# Altium PCB Intermediate_LCL_Revised_new.PcbDoc (part 1 of 3)
Units mil, origin at the board's own origin, x right, y up, seen from the top; angles counter-clockwise.
Board outline 12850 x 6950 mil, 4 copper layers (Top Layer, Lay1, gnd, Bottom Layer), stack 23.756 mil thick; 473 components, 243 nets, 1278 pads, 73 vias.
Unrouted connection lines stored in the file: 289.
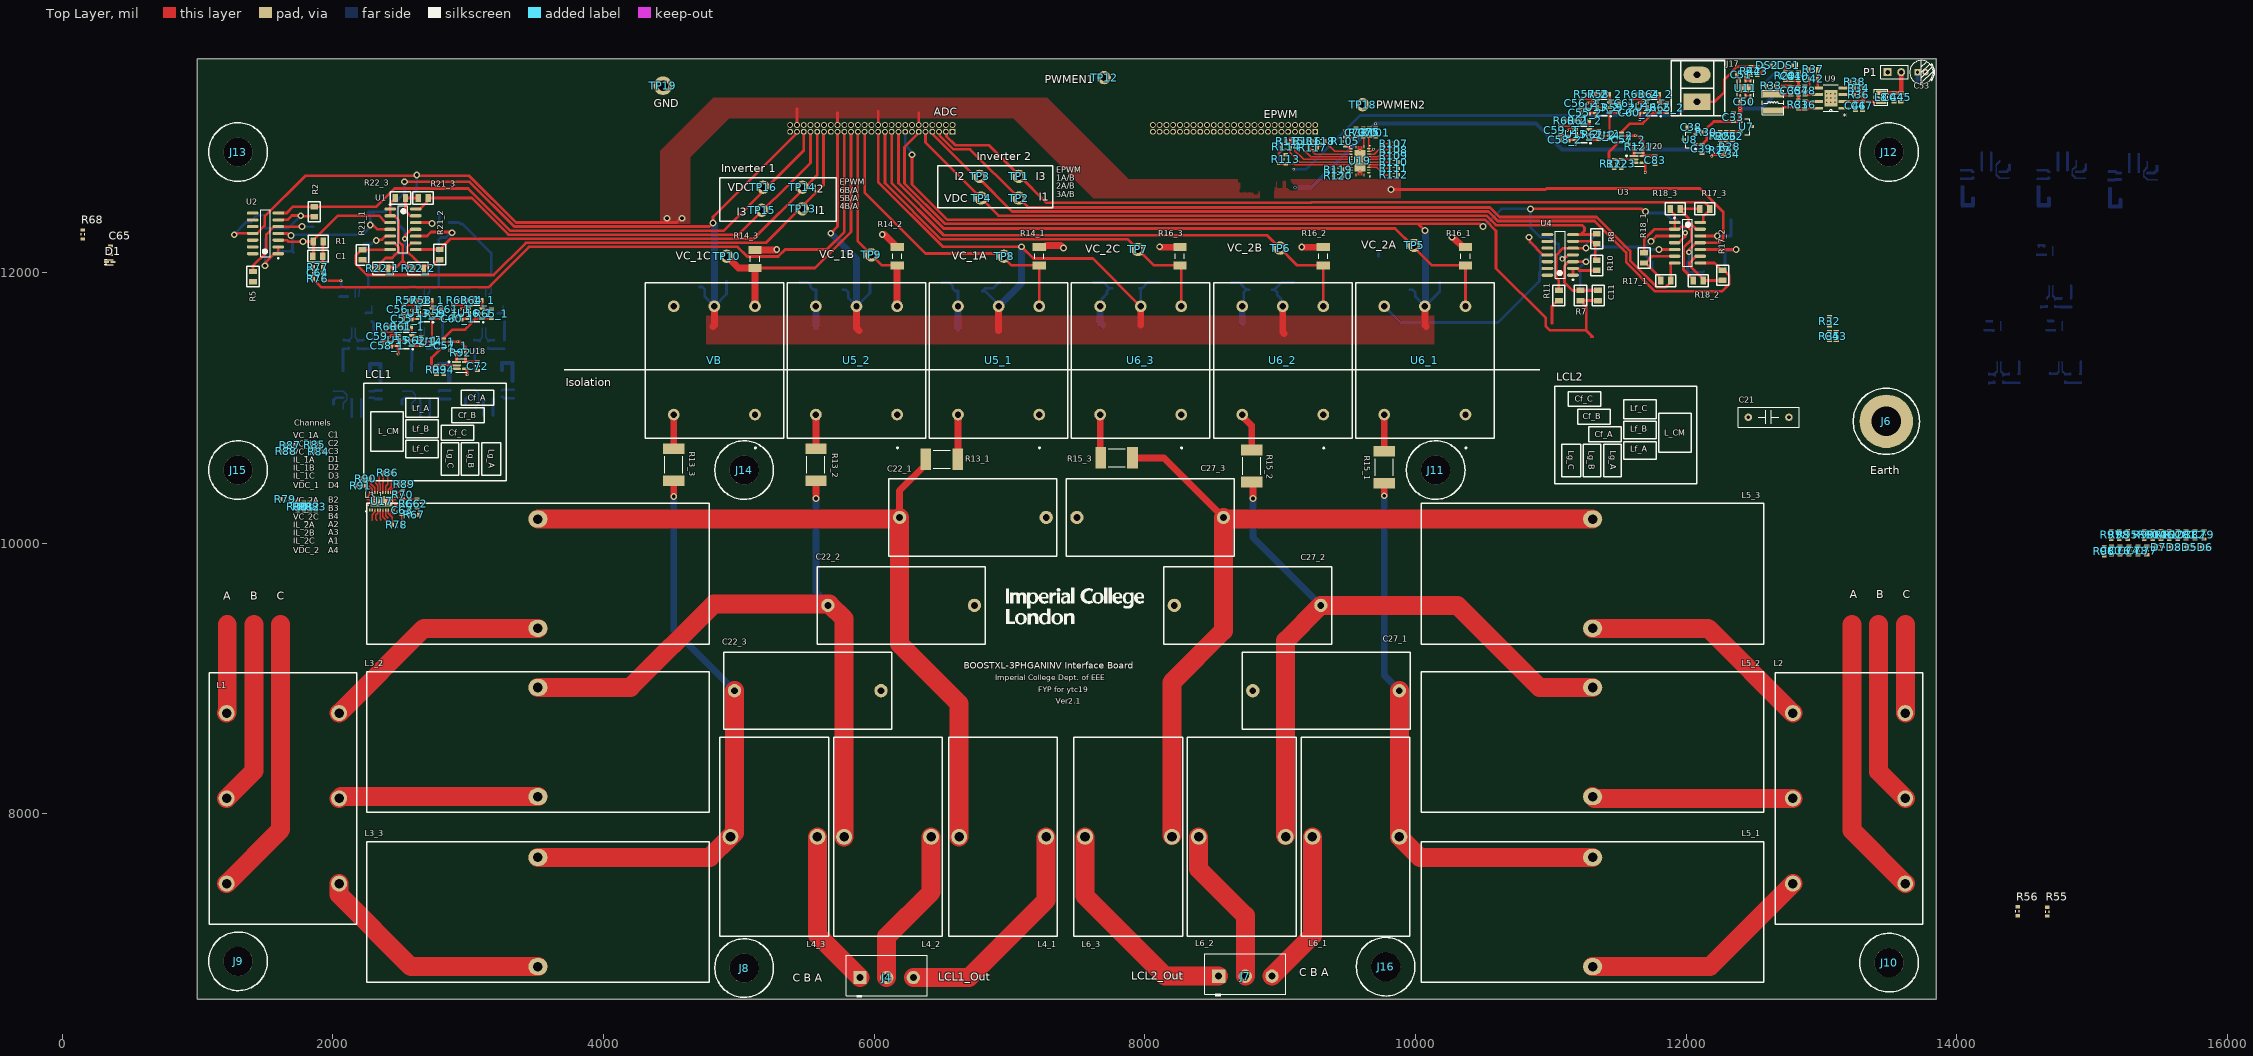
[diagram p0: Top Layer view]
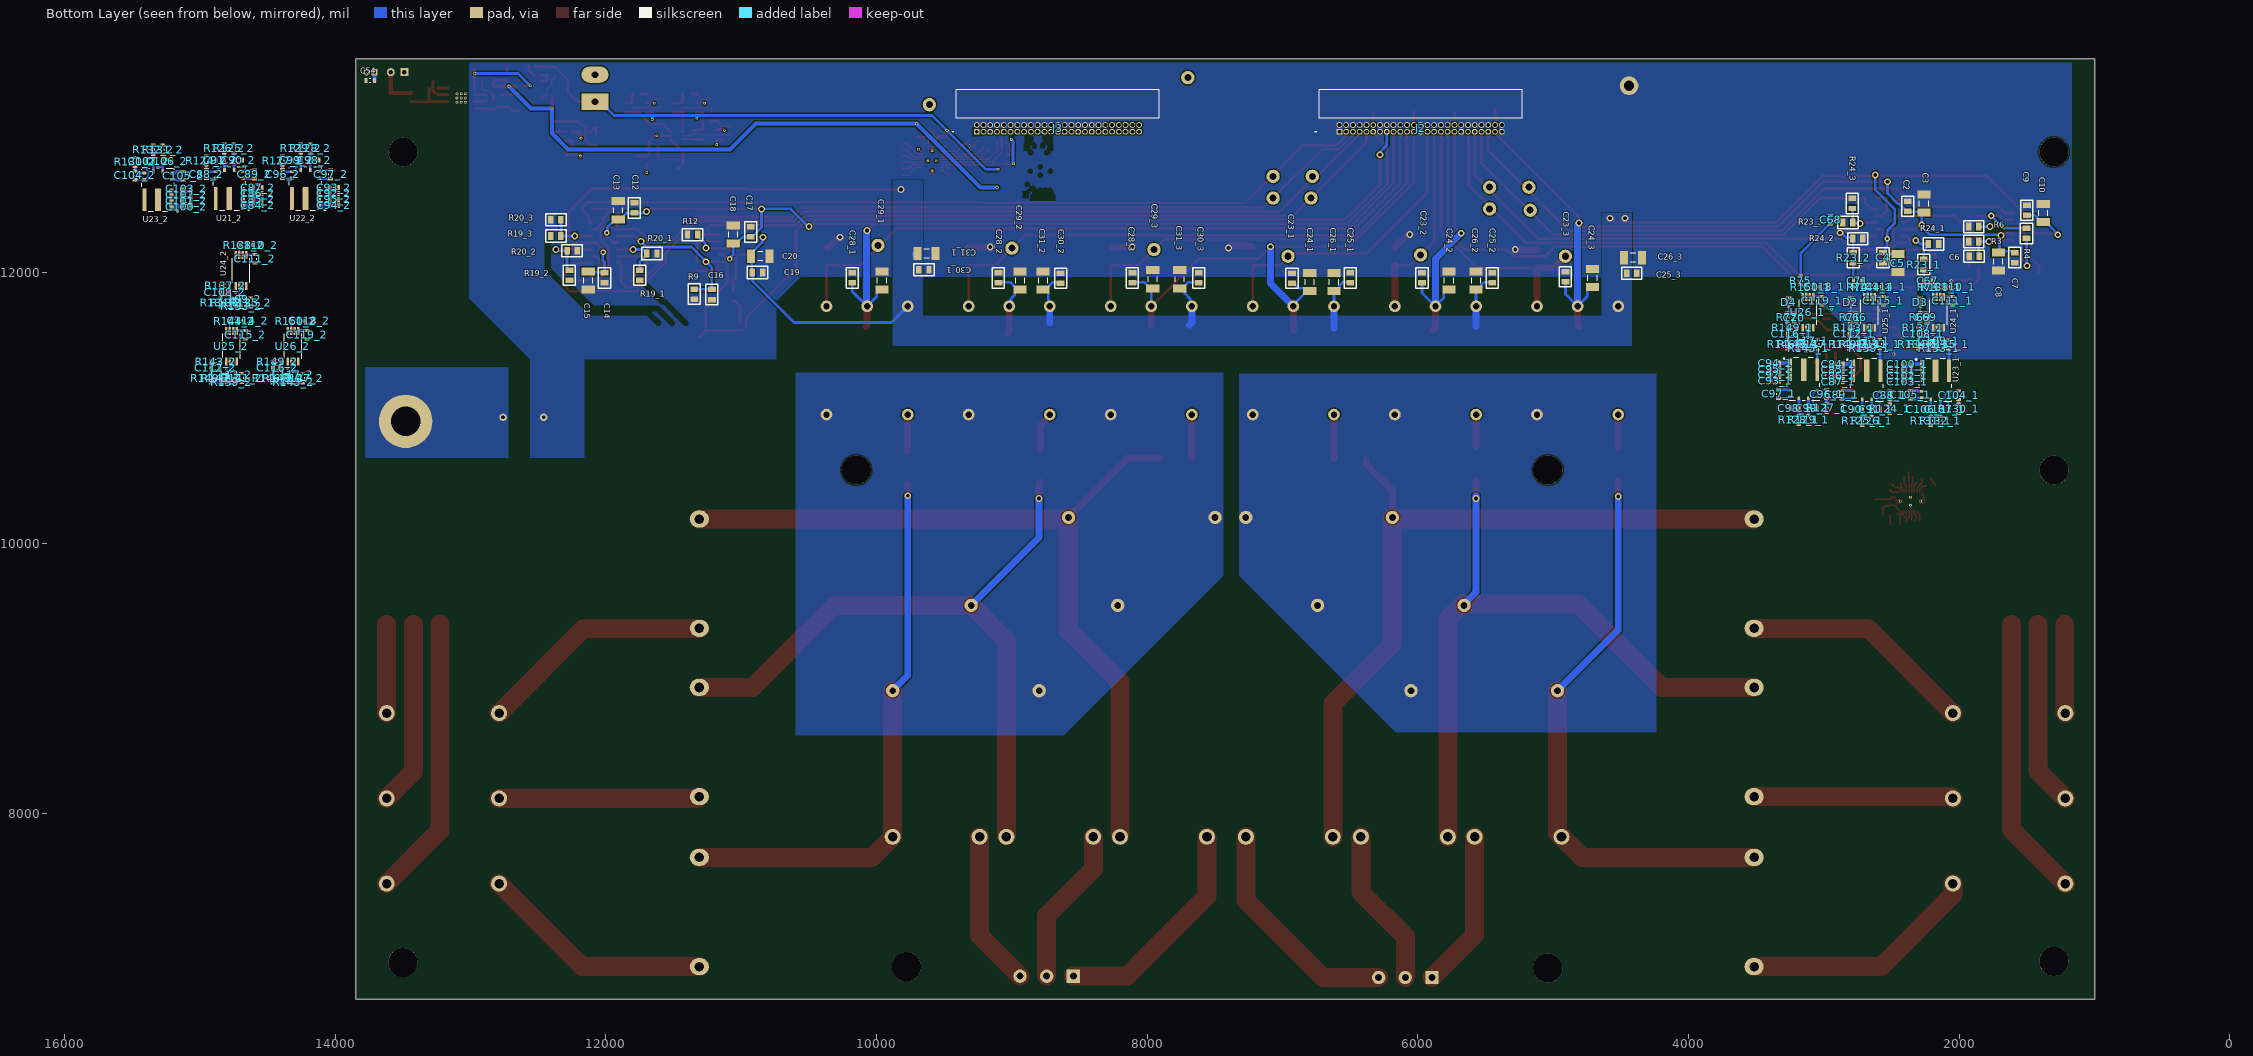
[diagram p1: Bottom Layer view, seen from below]
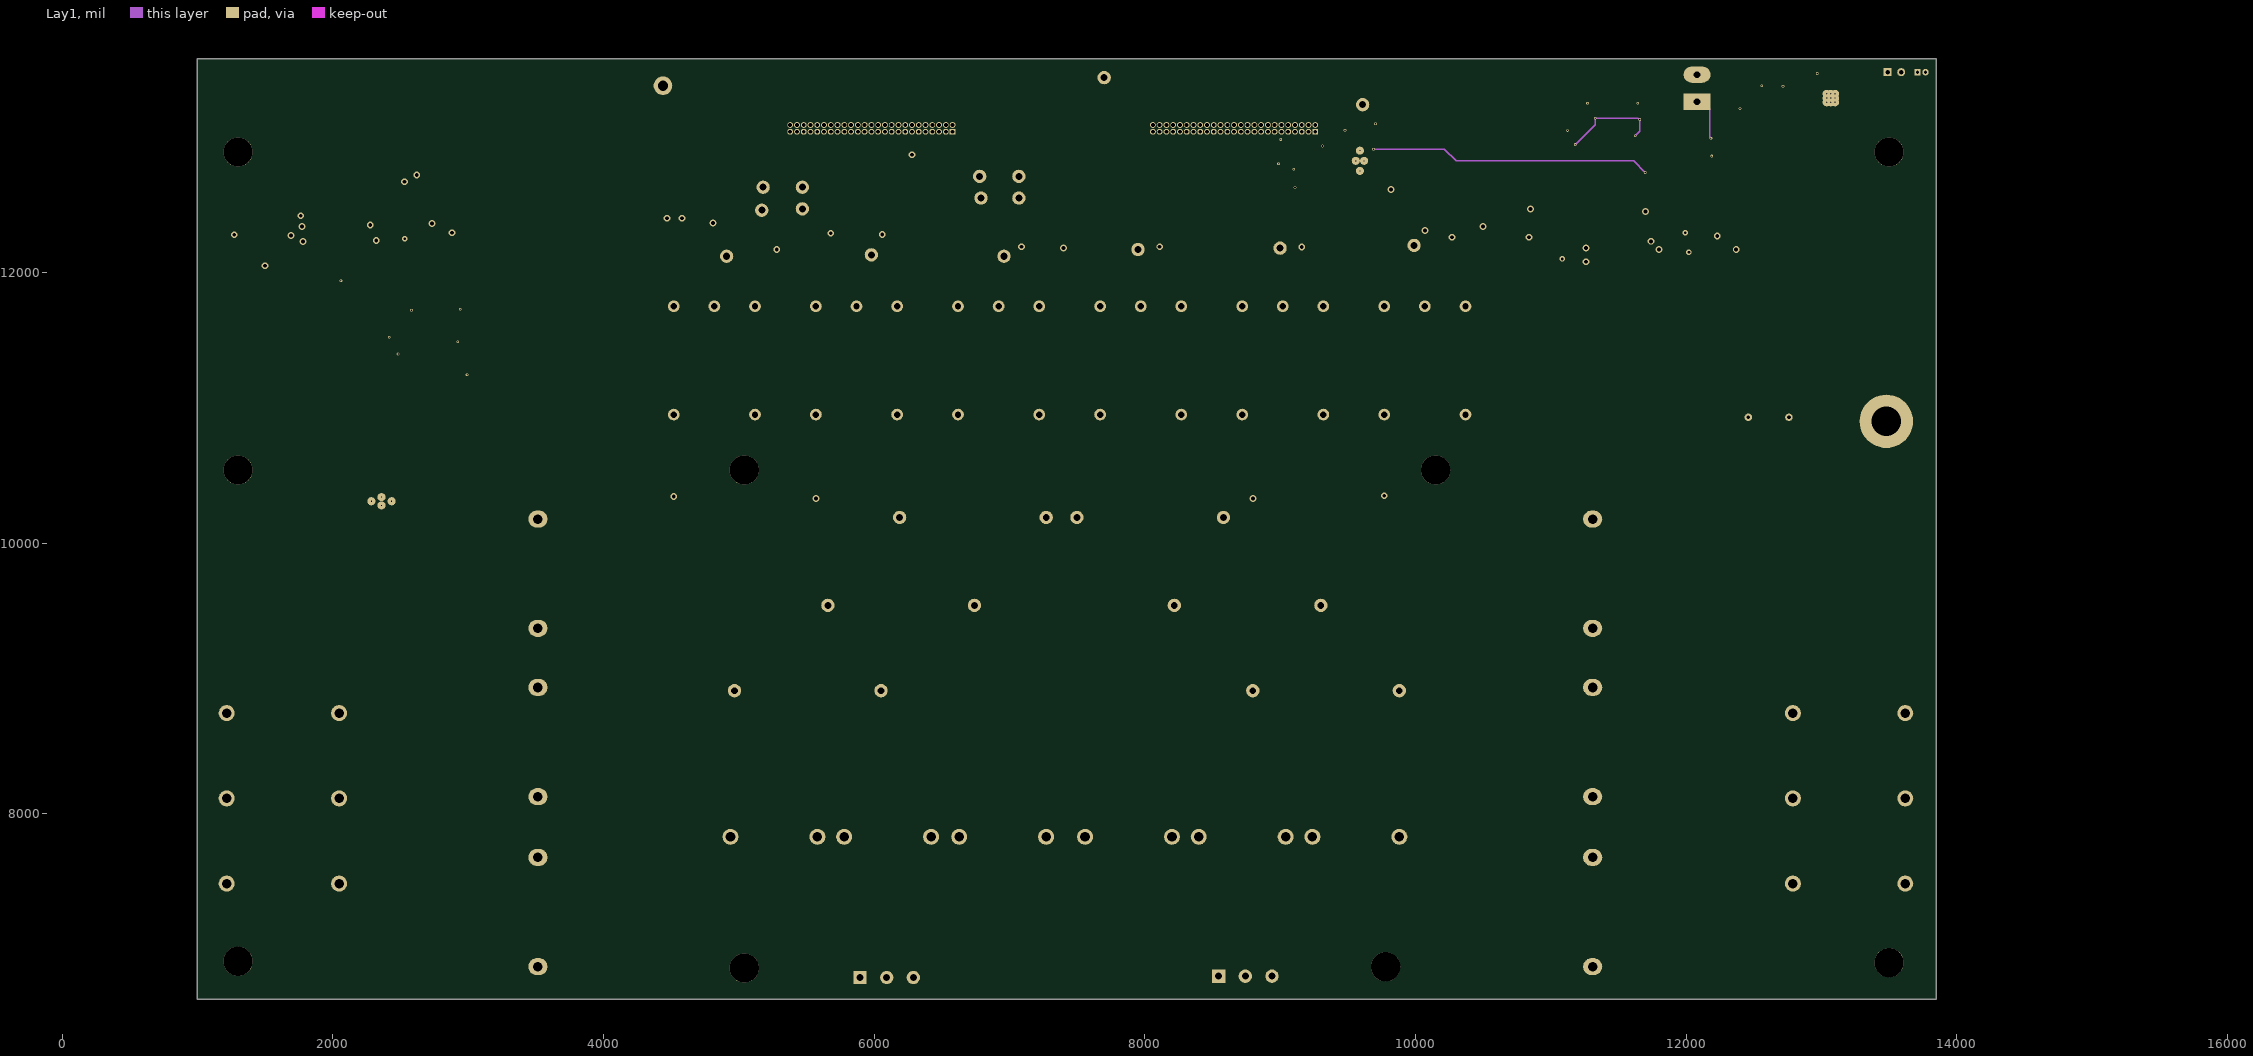
[diagram p2: Lay1]

## Layer stack, top to bottom
Top Solder: solder mask 0.4, Solder Resist, Dk 3.5
Top Layer: signal copper 1.4
Dielectric 2: prepreg 2.8, PP-006, Dk 4.1
Lay1: signal copper 1.378
Dielectric 1: dielectric 12.6, FR-4, Dk 4.8
gnd: signal copper 1.378
Dielectric 3: prepreg 2.8, PP-006, Dk 4.1
Bottom Layer: signal copper 1.4
Bottom Solder: solder mask 0.4, Solder Resist, Dk 3.5

## Board outline
1000,6630 13850,6630 13850,13580 1000,13580

## Design rules (kind name [scope] priority, off if disabled: settings)
Clearance [All] p1: gap=10 ignorepadtopadclearanceinfootprint=FALSE except(0: Arc-Hole Track-Hole SMDPad-Hole THPad-Hole Via-Hole Fill-Hole Poly-Hole Region-Hole Text-Hole; 5: SMDPad-SMDPad SMDPad-THPad THPad-THPad)
Height [All] p1: minheight=0 maxheight=1500 prefheight=500
HoleSize [All] p1: absolutevalues=TRUE maxlimit=250 minlimit=1 maxpercent=80.000 minpercent=20.000
PolygonConnect [All] p1: connectstyle=Direct reliefconductorwidth=10 reliefentries=4 polygonreliefangle="90 Angle" airgapwidth=10
RoomDefinition RoomDefinition_3 [InComponentClass('U_1232') vs False] p1: confinementstyle=ConfineIn formatcopy=TRUE lockcomponents=FALSE outline 14950,11150 14130,11150 14130,12240 14950,12240
RoomDefinition [InComponentClass('U_3Phase Inverter2') vs False] p2: confinementstyle=ConfineIn formatcopy=TRUE lockcomponents=FALSE outline 15515.68,12419.85 13945.68,12419.85 13945.68,12979.85 15515.68,12979.85
RoutingVias [All] p1: holewidth=28 width=50 viastyle="Through Hole" minholewidth=28 minwidth=50 maxholewidth=28 maxwidth=50
SolderMaskExpansion [All] p1: expansion=4 istentingtop=FALSE
Width [All] p1: maxlimit=140 minlimit=10 preferedwidth=10 midlayer1_maxwidth=10 midlayer2_maxwidth=10 minimp=50.000000 maximp=50.000000 favimp=50.000000
28 further rules are at their usual default settings.

## Classes and differential pairs
net class VC_MOTOR_[1..2]: VC_MOTOR_1 VC_MOTOR_2
net class VC_[1..2]: VC_1 VC_2
net class VB_MOTOR_[1..2]: VB_MOTOR_1 VB_MOTOR_2
net class VB_[1..2]: VB_1 VB_2
net class VA_Motor_[1..2]: VA_Motor_1 VA_Motor_2
net class VA_[1..2]: VA_1 VA_2
net class PWM_CL[1..2]: PWM_CL1 PWM_CL2
net class PWM_CH[1..2]: PWM_CH1 PWM_CH2
net class PWM_BL[1..2]: PWM_BL1 PWM_BL2
net class PWM_BH[1..2]: PWM_BH1 PWM_BH2
net class PWM_AL[1..2]: PWM_AL1 PWM_AL2
net class PWM_AH[1..2]: PWM_AH1 PWM_AH2
net class Ph_C[1..2]: Ph_C1 Ph_C2
net class Ph_B[1..2]: Ph_B1 Ph_B2
net class Ph_A[1..2]: Ph_A1 Ph_A2
component class "U_Phase Current Voltage Sense2": C55_2 C56_2 C57_2 C58_2 C59_2 C60_2 C61_2 R57_2 R58_2 R59_2 R60_2 R61_2 R62_2 R63_2 R64_2 R65_2 U13_2 U14_2 U15_2 U16_2
component class "U_Phase Current Voltage Sense1": C55_1 C56_1 C57_1 C58_1 C59_1 C60_1 C61_1 R57_1 R58_1 R59_1 R60_1 R61_1 R62_1 R63_1 R64_1 R65_1 U13_1 U14_1 U15_1 U16_1
net class IComp_[1..2]: IComp_1 IComp_2
net class IC_[1..2]: IC_1 IC_2
net class IB_[1..2]: IB_1 IB_2
net class IA_[1..2]: IA_1 IA_2
component class "U_3Phase Inverter1": C84_1 C85_1 C86_1 C87_1 C88_1 C89_1 C90_1 C91_1 C92_1 C93_1 C94_1 C95_1 C96_1 C97_1 C98_1 C99_1 C100_1 C101_1 C102_1 C103_1 C104_1 C105_1 C106_1 C107_1 R124_1 R125_1 R126_1 R127_1 R128_1 R129_1 R130_1 R131_1 R132_1 U21_1 U22_1 U23_1
component class "U_3Phase Inverter2": C84_2 C85_2 C86_2 C87_2 C88_2 C89_2 C90_2 C91_2 C92_2 C93_2 C94_2 C95_2 C96_2 C97_2 C98_2 C99_2 C100_2 C101_2 C102_2 C103_2 C104_2 C105_2 C106_2 C107_2 R124_2 R125_2 R126_2 R127_2 R128_2 R129_2 R130_2 R131_2 R132_2 U21_2 U22_2 U23_2
component class 3: C62 C63 C64 C65 C66 C67 C68 C69 C70 C71 C72 C73 C74 C75 C76 C77 C78 C79 C80 C81 C82 C83 D1 D2 D3 D4 D5 D6 D7 D8 R66 R67 R68 R69 R70 R71 R72 R73 R74 R75 R76 R77 R78 R79 R80 R81 R82 R83 R84 R85 R87 R88 R92 R93 R94 R95 R96 R97 R98 R99 R100 R101 R102 R103 R104 R105 R106 R107 R108 R109 R110 R111 R112 R113 R114 R115 R116 R117 R118 R119 R120 R121 R122 R123 U18 U19 U20
component class 1: C32 C33 C34 C35 C36 C37 C38 C39 C40 C41 C42 C43 C44 C45 C46 C47 C48 C50 C51 C53 C54 DS1 DS2 J17 L7 L8 P1 R25 R26 R27 R28 R29 R31 R32 R33 R34 R35 R36 R37 R38 R42 R43 R55 R56 U7 U9 U11
channel class "3Phase Inverter2": U_1231 U_1232
channel class "3Phase Inverter1": "U_3Phase Inverter1" "U_3Phase Inverter2"
channel class "Phase Current Voltage Sense": "U_Phase Current Voltage Sense1" "U_Phase Current Voltage Sense2"
component class U_1232: C108_2 C109_2 C110_2 C111_2 C112_2 C113_2 C114_2 C115_2 C116_2 C117_2 C118_2 C119_2 R133_2 R134_2 R135_2 R136_2 R137_2 R138_2 R139_2 R140_2 R141_2 R142_2 R143_2 R144_2 R145_2 R146_2 R147_2 R148_2 R149_2 R150_2 U24_2 U25_2 U26_2
component class U_1231: C108_1 C109_1 C110_1 C111_1 C112_1 C113_1 C114_1 C115_1 C116_1 C117_1 C118_1 C119_1 R133_1 R134_1 R135_1 R136_1 R137_1 R138_1 R139_1 R140_1 R141_1 R142_1 R143_1 R144_1 R145_1 R146_1 R147_1 R148_1 R149_1 R150_1 U24_1 U25_1 U26_1
channel class Fdbk_2: Fdbk_21 Fdbk_22 Fdbk_23
channel class Fdbk_1: Fdbk_11 Fdbk_12 Fdbk_13
net class I_PosB_[1..3]: I_PosB_1 I_PosB_2 I_PosB_3
net class I_PosA_[1..3]: I_PosA_1 I_PosA_2 I_PosA_3
net class I_OutB_[1..3]: I_OutB_1 I_OutB_2 I_OutB_3
net class I_OutA_[1..3]: I_OutA_1 I_OutA_2 I_OutA_3
net class I_NegB_[1..3]: I_NegB_1 I_NegB_2 I_NegB_3
net class I_NegA_[1..3]: I_NegA_1 I_NegA_2 I_NegA_3
net class I_InB_[1..3]: I_InB_1 I_InB_2 I_InB_3
net class I_InA_[1..3]: I_InA_1 I_InA_2 I_InA_3
component class Fdbk_23: R17_3 R18_3 R19_3 R20_3
component class Fdbk_22: R17_2 R18_2 R19_2 R20_2
component class Fdbk_21: R17_1 R18_1 R19_1 R20_1
component class Fdbk_13: R21_3 R22_3 R23_3 R24_3
component class Fdbk_12: R21_2 R22_2 R23_2 R24_2
component class Fdbk_11: R21_1 R22_1 R23_1 R24_1
channel class LCL_2: LCL_21 LCL_22 LCL_23
net class V_termB_[1..3]: V_termB_1 V_termB_2 V_termB_3
net class V_termA_[1..3]: V_termA_1 V_termA_2 V_termA_3
net class V_o_outB_[1..3]: V_o_outB_1 V_o_outB_2 V_o_outB_3
net class V_o_outA_[1..3]: V_o_outA_1 V_o_outA_2 V_o_outA_3
net class V_capB_[1..3]: V_capB_1 V_capB_2 V_capB_3
net class V_capA_[1..3]: V_capA_1 V_capA_2 V_capA_3
component class LCL_23: C27_3 C28_3 C29_3 C30_3 C31_3 L5_3 L6_3 R15_3 R16_3 U6_3
component class LCL_22: C27_2 C28_2 C29_2 C30_2 C31_2 L5_2 L6_2 R15_2 R16_2 U6_2
component class LCL_21: C27_1 C28_1 C29_1 C30_1 C31_1 L5_1 L6_1 R15_1 R16_1 U6_1
channel class LCL_1: LCL_11 LCL_12 LCL_13
component class LCL_13: C22_3 C23_3 C24_3 C25_3 C26_3 L3_3 L4_3 R13_3 R14_3 U5_3
component class LCL_12: C22_2 C23_2 C24_2 C25_2 C26_2 L3_2 L4_2 R13_2 R14_2 U5_2
component class LCL_11: C22_1 C23_1 C24_1 C25_1 C26_1 C31 L3_1 L4_1 R13_1 R14_1 U5_1
component class Intermediate_LCL_Top_20230320: C1 C2 C3 C4 C5 C6 C7 C8 C9 C10 C11 C12 C13 C14 C15 C16 C17 C18 C19 C20 C21 J2 J3 J4 J6 J7 J8 J9 J10 J11 J12 J13 J14 J15 J16 L1 L2 R1 R2 R3 R4 R5 R6 R7 R8 R9 R10 R11 R12 TP1 TP2 TP3 TP4 TP5 TP6 TP7 TP8 TP9 TP10 TP12 TP13 TP14 TP15 TP16 TP18 TP19 U1 U2 U3 U4

## Components (designator, comment, footprint, x,y, rotation, side; value= is the part's Value field where it differs from the comment)
C1 "2.2uF_0805" "0805 Capacitor" 1890,12120 r0 top
C2 "100nF_0805" "0805 Capacitor" 2380,12490 r270 bottom
C3 "4.7uF_1206" "1206 Capacitor" 2260,12510 r270 bottom
C4 "100nF_0805" "0805 Capacitor" 2562.6,12108.86 r90 bottom
C5 "4.7uF_1206" "1206 Capacitor" 2452.6,12068.86 r90 bottom
C6 "2.2uF_0805" "0805 Capacitor" 1890,12120 r180 bottom
C7 "100nF_0805" "0805 Capacitor" 1590,12110 r90 bottom
C8 "4.7uF_1206" "1206 Capacitor" 1710,12080 r90 bottom
C9 "100nF_0805" "0805 Capacitor" 1500,12460 r270 bottom
C10 "4.7uF_1206" "1206 Capacitor" 1380,12440 r270 bottom
C11 "2.2uF_0805" "0805 Capacitor" 11350,11830 r270 top
C12 "100nF_0805" "0805 Capacitor" 11790,12477.4 r270 bottom
C13 "4.7uF_1206" "1206 Capacitor" 11910,12460 r270 bottom
C14 "100nF_0805" "0805 Capacitor" 12010,11960 r90 bottom
C15 "4.7uF_1206" "1206 Capacitor" 12130,11940 r90 bottom
C16 "2.2uF_0805" "0805 Capacitor" 11217.16,11837.4 r90 bottom
C17 "100nF_0805" "0805 Capacitor" 10930,12300 r270 bottom
C18 "4.7uF_1206" "1206 Capacitor" 11060,12280 r270 bottom
C19 "100nF_0805" "0805 Capacitor" 10880,12000 r0 bottom
C20 "4.7uF_1206" "1206 Capacitor" 10860,12120 r0 bottom
C21 "Earth Capacitor" RAD-0.3 12610,10930 r0 top
C22_1 "2.2uF_180V" "Film Capacitor PHE450HF7220JR06L2" 6730,10190 r270 top (schematic designator C22)
C22_2 "2.2uF_180V" "Film Capacitor PHE450HF7220JR06L2" 6200,9540 r270 top (schematic designator C22)
C22_3 "2.2uF_180V" "Film Capacitor PHE450HF7220JR06L2" 5510,8910 r270 top (schematic designator C22)
C23_1 "100nF_0805" "0805 Capacitor" 6930,11958.11 r270 bottom (schematic designator C23)
C23_2 "100nF_0805" "0805 Capacitor" 5970,11960 r270 bottom (schematic designator C23)
C23_3 "100nF_0805" "0805 Capacitor" 4910,11968.11 r270 bottom (schematic designator C23)
C24_1 "4.7uF_1206" "1206 Capacitor" 6800,11930 r270 bottom (schematic designator C24)
C24_2 "4.7uF_1206" "1206 Capacitor" 5770,11940 r270 bottom (schematic designator C24)
C24_3 "4.7uF_1206" "1206 Capacitor" 4710,11960 r270 bottom (schematic designator C24)
C25_1 "100nF_0805" "0805 Capacitor" 6500,11960 r270 bottom (schematic designator C25)
C25_2 "100nF_0805" "0805 Capacitor" 5450,11960 r270 bottom (schematic designator C25)
C25_3 "100nF_0805" "0805 Capacitor" 4420,11993.9 r0 bottom (schematic designator C25)
C26_1 "4.7uF_1206" "1206 Capacitor" 6620,11930 r270 bottom (schematic designator C26)
C26_2 "4.7uF_1206" "1206 Capacitor" 5570,11940 r270 bottom (schematic designator C26)
C26_3 "4.7uF_1206" "1206 Capacitor" 4410,12110 r0 bottom (schematic designator C26)
C27_1 "2.2uF_180V" "Film Capacitor PHE450HF7220JR06L2" 9340,8910 r90 top (schematic designator C27)
C27_2 "2.2uF_180V" "Film Capacitor PHE450HF7220JR06L2" 8760,9540 r90 top (schematic designator C27)
C27_3 "2.2uF_180V" "Film Capacitor PHE450HF7220JR06L2" 8040,10190 r90 top (schematic designator C27)
C28_1 "100nF_0805" "0805 Capacitor" 10180,11960 r270 bottom (schematic designator C28)
C28_2 "100nF_0805" "0805 Capacitor" 9100,11960 r270 bottom (schematic designator C28)
C28_3 "100nF_0805" "0805 Capacitor" 8110,11960 r270 bottom (schematic designator C28)
C29_1 "4.7uF_1206" "1206 Capacitor" 9960,11940 r270 bottom (schematic designator C29)
C29_2 "4.7uF_1206" "1206 Capacitor" 8940,11940 r270 bottom (schematic designator C29)
C29_3 "4.7uF_1206" "1206 Capacitor" 7960,11950 r270 bottom (schematic designator C29)
C30_1 "100nF_0805" "0805 Capacitor" 9650,12020 r0 bottom (schematic designator C30)
C30_2 "100nF_0805" "0805 Capacitor" 8640,11958.11 r270 bottom (schematic designator C30)
C30_3 "100nF_0805" "0805 Capacitor" 7620,11960 r270 bottom (schematic designator C30)
C31_1 "4.7uF_1206" "1206 Capacitor" 9630,12140 r0 bottom (schematic designator C31)
C31_2 "4.7uF_1206" "1206 Capacitor" 8770,11940 r270 bottom (schematic designator C31)
C31_3 "4.7uF_1206" "1206 Capacitor" 7760,11950 r270 bottom (schematic designator C31)
C32 "0.1uF" CAPC1608X06N 12343.82,13007.77 r270 top
C33 "0.1uF" CAPC1608X06N 12350.37,13147.64 r90 top
C34 "2200pF" CAPC1608X06N 12319.58,12871.86 r0 top
C35 "10nF" CAPC1608X06N 12776.68,13343.18 r90 top
C36 "0.01uF" CAPC1608X06N 12880,13240 r270 top
C37 "3300pF" CAPC1608X06N 12830.62,13343.18 r270 top
C38 "0.1uF" CAPC1608X06N 12039.33,13072.19 r180 top value=1uF
C39 "0.1uF" CAPC1608X06N 12117.13,12912.82 r270 top value=1uF
C40 "100uF" CAPC1608X06N 12830.62,13450.52 r270 top
C41 "0.1uF" CAPC1608X06N 12776.68,13450.52 r270 top
C42 "0.01uF" CAPC1608X06N 12940.86,13430.43 r180 top
C43 "0.033uF" CAPC1608X06N 13110,11530 r270 top
C44 "3.3uF" CAPC1608X06N 13536.44,13293.45 r270 top
C45 "100nF" CAPC1608X06N 13586.44,13293.45 r270 top
C46 "100nF" CAPC1608X06N 13252.9,13230.28 r270 top
C47 "3.3uF" CAPC1608X06N 13302.9,13230.28 r90 top
C48 "1uF" CAPC1608X06N 12880.2,13344.03 r270 top
C50 "1uF" CAPC1608X06N 12431.5,13260 r180 top
C51 "100uF" CAPC1608X06N 12406.49,13460 r0 top
C53 "220uF" "CAP 1.5*4*8" 13739.53,13480 r0 top
C54 "3.3uF" CAPC1608X06N 13742.16,13417.1 r180 bottom
C55_1 "0.1uF" CAPC1608X06N 2552.51,11657.49 r180 top (schematic designator C55)
C55_2 "0.1uF" CAPC1608X06N 11254,13179.71 r180 top (schematic designator C55)
C56_1 "2200pF" CAPC1608X06N 2522.51,11727.49 r270 top (schematic designator C56)
C56_2 "2200pF" CAPC1608X06N 11224,13249.71 r270 top (schematic designator C56)
C57_1 "0.1uF" CAPC1608X06N 2872.51,11457.49 r270 top (schematic designator C57)
C57_2 "0.1uF" CAPC1608X06N 11574,12979.71 r270 top (schematic designator C57)
C58_1 "0.1uF" CAPC1608X06N 2402.51,11457.49 r180 top (schematic designator C58)
C58_2 "0.1uF" CAPC1608X06N 11104,12979.71 r180 top (schematic designator C58)
C59_1 "2200pF" CAPC1608X06N 2372.51,11527.49 r270 top (schematic designator C59)
C59_2 "2200pF" CAPC1608X06N 11074,13049.71 r270 top (schematic designator C59)
C60_1 "0.1uF" CAPC1608X06N 2922.51,11657.49 r180 top (schematic designator C60)
C60_2 "0.1uF" CAPC1608X06N 11624,13179.71 r180 top (schematic designator C60)
C61_1 "2200pF" CAPC1608X06N 2892.51,11727.49 r270 top (schematic designator C61)
C61_2 "2200pF" CAPC1608X06N 11594,13249.71 r270 top (schematic designator C61)
C62 "0.1uF" CAPC1608X06N 2621.71,10292.2 r270 top
C63 "0.1uF" CAPC1608X06N 2511.81,10243.11 r270 top
C64 "2200pF" CAPC1608X06N 1890.38,11997.74 r0 top
C65 "2200pF" CAPC1608X06N 355.77,12165.07 r90 top
C66 "2200pF" CAPC1608X06N 2761.35,11667.36 r270 bottom
C67 "2200pF" CAPC1608X06N 2232.08,11939.25 r180 bottom
C68 "2200pF" CAPC1608X06N 2950,12390 r90 bottom
C69 "2200pF" CAPC1608X06N 2242.66,11668.9 r270 bottom
C70 "2200pF" CAPC1608X06N 3220,11666.56 r270 bottom
C71 "2200pF" CAPC1608X06N 2750,11939.25 r180 bottom
C72 "0.1uF" CAPC1608X06N 3070.24,11307.6 r270 top
C73 "0.1uF" CAPC1608X06N 9559.71,13033.87 r90 top
C74 "2200pF" CAPC1608X06N 15273.5,9945.07 r90 top
C75 "0.1uF" CAPC1608X06N 9660.12,13035.64 r90 top
C76 "2200pF" CAPC1608X06N 15208.1,9945.07 r90 top
C77 "2200pF" CAPC1608X06N 15404.31,9945.07 r90 top
C78 "2200pF" CAPC1608X06N 15338.91,9945.07 r90 top
C79 "2200pF" CAPC1608X06N 15826.69,10062.69 r90 top
C80 "2200pF" CAPC1608X06N 15142.7,9945.07 r90 top
C81 "2200pF" CAPC1608X06N 15695.88,10062.69 r90 top
C82 "2200pF" CAPC1608X06N 15761.28,10062.69 r90 top
C83 "0.1uF" CAPC1608X06N 11771.73,12829.81 r270 top
C84_1 "3.3uF" CAPC1608X06N 2892.06,11323.24 r180 bottom (schematic designator C84)
C84_2 "3.3uF" CAPC1608X06N 14573.09,12497 r0 bottom (schematic designator C84)
C85_1 "100nF" CAPC1608X06N 2892.06,11279.91 r0 bottom (schematic designator C85)
C85_2 "100nF" CAPC1608X06N 14573.09,12540.33 r180 bottom (schematic designator C85)
C86_1 "3.3uF" CAPC1608X06N 2892.06,11236.57 r180 bottom (schematic designator C86)
C86_2 "3.3uF" CAPC1608X06N 14573.09,12583.67 r0 bottom (schematic designator C86)
C87_1 "3.3uF" CAPC1608X06N 2892.06,11193.24 r180 bottom (schematic designator C87)
C87_2 "3.3uF" CAPC1608X06N 14573.09,12627 r0 bottom (schematic designator C87)
C88_1 "2.2uF" CAPC1608X06N 2512.06,11093.24 r270 bottom (schematic designator C88)
C88_2 "2.2uF" CAPC1608X06N 14953.09,12727 r90 bottom (schematic designator C88)
C89_1 "100nF" CAPC1608X06N 2867.02,11096 r270 bottom (schematic designator C89)
C89_2 "100nF" CAPC1608X06N 14598.13,12724.24 r90 bottom (schematic designator C89)
C90_1 "47pF" CAPC1608X06N 2748.5,10990 r0 bottom (schematic designator C90)
C90_2 "47pF" CAPC1608X06N 14716.65,12830.24 r180 bottom (schematic designator C90)
C91_1 "47pF" CAPC1608X06N 2615.09,10990 r180 bottom (schematic designator C91)
C91_2 "47pF" CAPC1608X06N 14850.06,12830.24 r0 bottom (schematic designator C91)
C92_1 "3.3uF" CAPC1608X06N 3360,11243.25 r180 bottom (schematic designator C92)
C92_2 "3.3uF" CAPC1608X06N 14010,12583.67 r0 bottom (schematic designator C92)
C93_1 "100nF" CAPC1608X06N 3360,11199.92 r0 bottom (schematic designator C93)
C93_2 "100nF" CAPC1608X06N 14010,12627 r180 bottom (schematic designator C93)
C94_1 "3.3uF" CAPC1608X06N 3360,11329.92 r180 bottom (schematic designator C94)
C94_2 "3.3uF" CAPC1608X06N 14010,12497 r0 bottom (schematic designator C94)
C95_1 "3.3uF" CAPC1608X06N 3360,11286.59 r180 bottom (schematic designator C95)
C95_2 "3.3uF" CAPC1608X06N 14010,12540.33 r0 bottom (schematic designator C95)
C96_1 "2.2uF" CAPC1608X06N 2980,11099.92 r270 bottom (schematic designator C96)
C96_2 "2.2uF" CAPC1608X06N 14390,12727 r90 bottom (schematic designator C96)
C97_1 "100nF" CAPC1608X06N 3334.96,11102.69 r270 bottom (schematic designator C97)
C97_2 "100nF" CAPC1608X06N 14035.04,12724.24 r90 bottom (schematic designator C97)
C98_1 "47pF" CAPC1608X06N 3216.44,10996.68 r0 bottom (schematic designator C98)
C98_2 "47pF" CAPC1608X06N 14153.56,12830.24 r180 bottom (schematic designator C98)
C99_1 "47pF" CAPC1608X06N 3083.03,10996.68 r180 bottom (schematic designator C99)
C99_2 "47pF" CAPC1608X06N 14286.97,12830.24 r0 bottom (schematic designator C99)